# Altium PCB as_x31.PcbDoc (part 3 of 4)
Units mm, origin at the board's own origin, x right, y up, seen from the top; angles counter-clockwise.
Board outline 130 x 100 mm, 6 copper layers (Top Layer, Ground_1, int_1, int_2, Power, Bottom Layer), stack 1.49 mm thick; 411 components, 383 nets, 2547 pads, 1038 vias.
Unrouted connection lines stored in the file: 439.
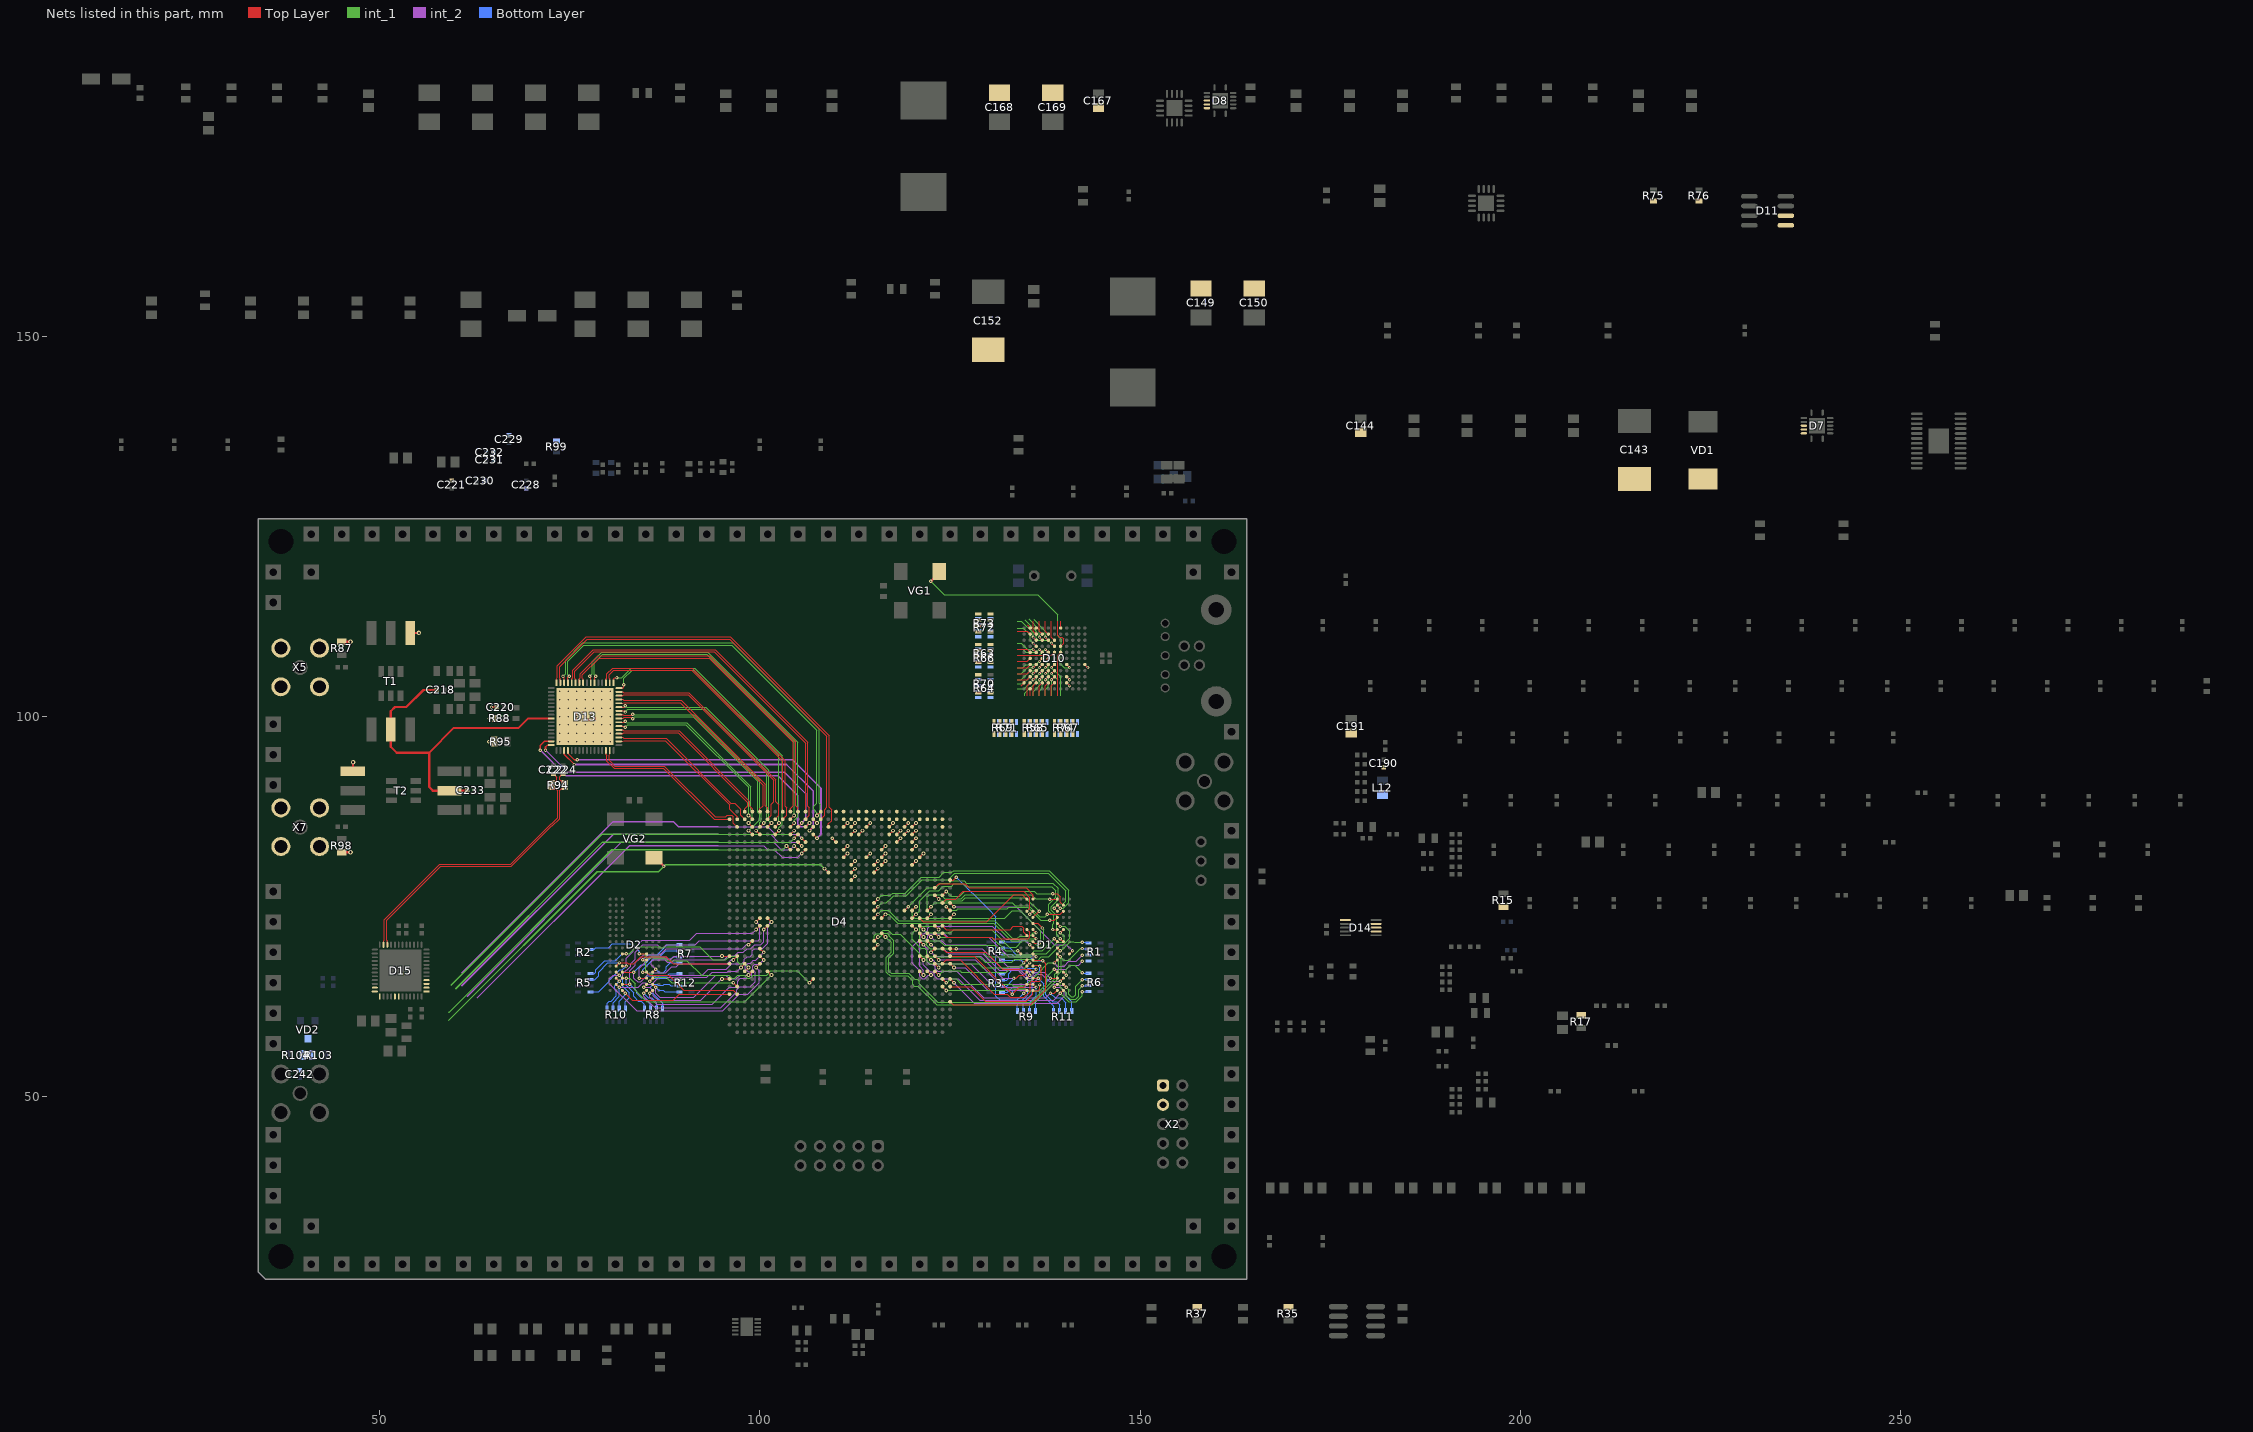
[diagram p7: the nets of this part, all layers, seen from the top]

## Via types
v1: diameter 0.5, hole 0.25, Top Layer to Bottom Layer, 535 vias
v2: diameter 0.45, hole 0.2, Top Layer to Bottom Layer, 284 vias
v3: diameter 0.5, hole 0.2, Top Layer to Bottom Layer, 137 vias
v4: diameter 0.4, hole 0.2, Top Layer to Bottom Layer, 78 vias
v5: diameter 0.6, hole 0.3, Top Layer to Bottom Layer, 4 vias

## Nets (pads, with @x,y where several pads share a name; then routed paths per layer and width w, separated by ;. In a path a pad name is that pad's centre, name@x,y a point inside that pad or via, vN(x,y) a via of type N, cw(c..) or ccw(c..) an arc to the next point about the centre after c; other vN are vias at no path point) (continued)
0VA: C220.2 C221.2 C228.1 C229.1 C230.1 C231.1 C232.1 D13.65 R87.1 R88.1 R95.2 R98.1 R99.2 T1.6 T2.6 X5.2 X7.2 | length 7.2
  Top Layer w0.2: v2(64.35,96.7) R95.2@65.05,96.7 R95.2@65.1,96.65 ; v2(64.4,99.75) R88.1@65.1,99.75 R88.1@65.15,99.7 ; v2(64.7,101.2) C220.2@65.4,101.2 C220.2@65.45,101.15
  Top Layer w0.3: R98.1@44.96,82.19 R98.1@45,82.15 v5(46.16,82.15) ; R87.1@44.96,109.89 R87.1@45,109.85 v5(46.16,109.85) ; T2.6@46.46,92.8 46.5,92.84 v5(46.5,94) ; T1.6@53.96,111.04 T1.6@54,111 v5(55.16,111)
  other v3: 73.7,96.7 74.8,96.7 75.9,96.7 77,96.7 78.1,96.7 79.2,96.7 80.3,96.7 73.7,97.8 74.8,97.8 75.9,97.8 77,97.8 78.1,97.8 79.2,97.8 80.3,97.8 73.7,98.9 74.8,98.9 75.9,98.9 77,98.9 78.1,98.9 79.2,98.9 80.3,98.9 73.7,100 74.8,100 75.9,100 77,100 78.1,100 79.2,100 80.3,100 73.7,101.1 74.8,101.1 75.9,101.1 77,101.1 78.1,101.1 79.2,101.1 80.3,101.1 73.7,102.2 74.8,102.2 75.9,102.2 77,102.2 78.1,102.2 79.2,102.2 80.3,102.2 73.7,103.3 74.8,103.3 75.9,103.3 77,103.3 78.1,103.3 79.2,103.3 80.3,103.3
12V: C143.1 C144.1 C149.1 C150.1 C152.1 C167.1 C168.1 C169.1 D7.4 D7.5 D7.6 D8.4 D8.5 D8.6 VD1.1
A_485: R37.2 X2.1
AD97_CS: D4.K27 D15.14 | length 53.4
  Top Layer w0.15: v1(104.5,84) D4.K27@105,84.5
  int_1 w0.15: 94.5,83.5 104,83.5 v1(104.5,84)
  int_1 w0.2: 60,64.2 79.3,83.5 94.5,83.5
AD5322_DIN: D4.AJ29 D14.9
AD5322_LDAC: D4.AG29 D14.1
AD5322_SCLK: D4.AJ28 D14.8
AD5322_SYNC: D4.AH29 D14.7
AD9517_EXT_CLK: C242.2 D15.47 R103.1 R104.2 VD2.1
AD9517_FPGA_CLK: D4.P22 D15.48 VG2.3 | length 60.5
  Top Layer w0.15: v1(108.5,80) D4.P22@109,79.5
  Top Layer w0.3: VG2.3@86.08,81.42 86.28,81.42 v2(87.38,80.32)
  int_1 w0.2: 59.1,60.1 78.6,79.6 86.66,79.6 v2(87.38,80.32) 87.56,80.5 108,80.5 v1(108.5,80)
AD9517_REF_SEL: D4.K25 D15.6 | length 52.7
  Top Layer w0.15: v1(104.5,83) D4.K25@105,82.5
  int_2 w0.15: 94.5,83.5 101.8,83.5 102.8,82.5 104,82.5 v1(104.5,83)
  int_2 w0.2: 61.5,63.2 81.8,83.5 94.5,83.5
AD9517_REFMON: D4.K26 D15.1 | length 54.3
  Top Layer w0.15: D4.K26@105,83.5 v1(105.5,83)
  int_2 w0.15: 94.5,84.5 101.4,84.5 102.4,83.5 105,83.5 v1(105.5,83)
  int_2 w0.2: 60.8,64.6 80.7,84.5 94.5,84.5
AD9517_SCLK: D4.J27 D15.13 | length 54.2
  Top Layer w0.15: D4.J27@104,84.5 v1(104.5,85)
  int_1 w0.15: 94.5,84.5 104,84.5 v1(104.5,85)
  int_1 w0.2: 59.4,64.7 79.2,84.5 94.5,84.5
AD9517_SDIO: D4.L26 D15.16 | length 54.6
  Top Layer w0.15: v1(105.5,84) D4.L26@106,83.5
  int_2 w0.15: 94.5,85.5 101,85.5 102,84.5 105,84.5 v1(105.5,84)
  int_2 w0.2: 60.8,66.3 80.7,86.2 88.6,86.2 89.3,85.5 94.5,85.5
AD9517_SDO: D4.L25 D15.15 | length 52.5
  Top Layer w0.15: v1(105.5,82) D4.L25@106,82.5
  int_2 w0.15: 94.5,83 100.5,83 101,82.5 101.9,82.5 102.9,81.5 105,81.5 v1(105.5,82)
  int_2 w0.2: 62.8,63 82.8,83 94.5,83
AD9517_STATUS: D4.J25 D15.5 | length 54.2
  Top Layer w0.15: v1(103.5,83) D4.J25@104,82.5
  int_1 w0.15: 94.5,82.5 103,82.5 v1(103.5,83)
  int_1 w0.2: 59.1,61.1 80.5,82.5 94.5,82.5
ADC_CLK_N: C224.1 D15.34 R94.1 | length 38.2
  Top Layer w0.125: D15.34@51,70 51,70.5 50.9,70.6 50.9,73.2 58,80.3 67.314,80.3 72.639,85.625 72.714,85.625 73.675,86.586 73.675,90.325 R94.1@74.35,91 73.675,91.675 73.675,92.075 C224.1@74.1,92.5
ADC_CLK_P: C222.1 D15.35 R94.2 | length 38.3
  Top Layer w0.125: D15.35@50.5,70 50.5,70.5 50.6,70.6 50.6,73.077 50.625,73.102 50.625,73.314 57.886,80.575 67.2,80.575 72.525,85.9 72.6,85.9 73.4,86.7 73.4,90.25 R94.2@72.65,91 73.3,91.65 73.3,92.05 C222.1@72.85,92.5
ADC_CML: C218.1 C233.1 D13.41 T1.2 T2.2 | length 44.9
  Top Layer w0.25: 56.5,95.25 59.75,98.5 68.25,98.5 69.5,99.75 D13.41@72.55,99.75
  Top Layer w0.3: C218.1@57.5,103.5 55.75,103.5 53.5,101.25 52,101.25 51.46,100.71 T1.2@51.46,98.3 51.46,96.04 52.25,95.25 56.5,95.25 56.5,90.75 56.99,90.26 T2.2@59.16,90.26 61.46,90.26 C233.1@61.5,90.3
ADC_CSB: D4.M28 D13.51 | length 41.4
  Top Layer w0.15: v1(106.5,85) D4.M28@107,85.5
  Top Layer w0.2: D13.51@74.25,95.55 74.25,95.05 v2(75.6,93.7)
  int_2 w0.2: v2(75.6,93.7) 103.5,93.7 107,90.2 107,85.5 v1(106.5,85)
ADC_D0_N: D4.A29 D13.62 | length 20.8
  Top Layer w0.125: D13.62@79.75,95.55 79.75,95.03 79.875,94.905 79.875,94.136 80.811,93.2 87.3,93.2 93.975,86.525 95.975,86.525 D4.A29@96,86.5
ADC_D0_P: D4.B28 D13.63 | length 22.5
  Top Layer w0.125: D13.63@80.25,95.55 80.25,95.03 80.15,94.93 80.15,94.25 80.925,93.475 87.414,93.475 94.089,86.8 95.5,86.8 95.7,87 96.3,87 96.5,86.8 96.5,86 D4.B28@97,85.5
ADC_D1_N: D4.B29 D13.2 | length 20.4
  Top Layer w0.125: D13.2@81.45,96.75 81.97,96.75 82.07,96.85 87.55,96.85 96,88.4 96,87.8 97,86.8 D4.B29@97,86.5
ADC_D1_P: D4.C29 D13.3 | length 21.5
  Top Layer w0.125: D13.3@81.45,97.25 81.97,97.25 82.095,97.125 87.664,97.125 96.189,88.6 96.7,88.6 97.5,87.8 97.5,87 D4.C29@98,86.5
ADC_D2_N: D4.C30 D13.4 | length 22.1
  Top Layer w0.125: D13.4@81.45,97.75 81.97,97.75 82.07,97.85 89.25,97.85 98.4,88.7 98.4,88.3 98,87.9 D4.C30@98,87.5
ADC_D2_P: D4.D30 D13.5 | length 22.6
  Top Layer w0.125: D13.5@81.45,98.25 81.97,98.25 82.095,98.125 89.364,98.125 98.675,88.814 98.675,88.225 99,87.9 D4.D30@99,87.5
ADC_D3_N: D4.D29 D13.6 | length 25.1
  Top Layer w0.125: D13.6@81.45,98.75 82.15,98.75 v2(82.3,98.6)
  Top Layer w0.15: v1(98.5,87) D4.D29@99,86.5
  int_1 w0.13: v2(82.3,98.6) 82.635,98.935 90.265,98.935 98.5,90.7 v1(98.5,87)
ADC_D3_P: D4.D28 D13.7 | length 26.8
  Top Layer w0.125: D13.7@81.45,99.25 82.15,99.25 v2(82.3,99.4)
  Top Layer w0.15: v1(98.5,86) D4.D28@99,85.5
  int_1 w0.13: v2(82.3,99.4) 82.502,99.198 82.519,99.215 90.381,99.215 98.8,90.796 98.8,87.7 99,87.5 99,86.5 v1(98.5,86)
ADC_D4_N: D4.D27 D13.8 | length 29.9
  Top Layer w0.125: D13.8@81.45,99.75 82,99.75 82.137,99.887 83.137,99.887 v2(83.3,99.725)
  Top Layer w0.15: v1(98.5,85) D4.D27@99,84.5
  int_1 w0.13: v2(83.3,99.725) 83.322,99.725 83.557,99.96 91.24,99.96 99.7,91.5 99.7,87.422 99.94,87.182 99.94,86.44 v1(98.5,85)
ADC_D4_P: D4.E27 D13.9 | length 30
  Top Layer w0.125: D13.9@81.45,100.25 82.031,100.25 82.119,100.162 83.138,100.162 v2(83.3,100.325)
  Top Layer w0.15: v1(99.5,85) D4.E27@100,84.5
  int_1 w0.13: v2(83.3,100.325) 83.413,100.212 83.441,100.24 91.356,100.24 99.98,91.616 99.98,87.503 100.195,87.288 100.195,86.334 99.98,86.119 99.98,85.48 v1(99.5,85)
ADC_D5_N: D4.E30 D13.12 | length 27.2
  Top Layer w0.125: D13.12@81.45,101.75 81.97,101.75 82.07,101.85 89.55,101.85 100.4,91 100.4,88.3 100,87.9 D4.E30@100,87.5
ADC_D5_P: D4.F30 D13.13 | length 27.6
  Top Layer w0.125: D13.13@81.45,102.25 81.97,102.25 82.095,102.125 89.664,102.125 100.7,91.089 100.7,88.3 101,88 D4.F30@101,87.5
ADC_D6_N: D4.F29 D13.14 | length 30.5
  Top Layer w0.125: D13.14@81.45,102.75 81.97,102.75 82.07,102.85 90.55,102.85 101.8,91.6 101.8,88.8 101.5,88.5 101.5,87 D4.F29@101,86.5
ADC_D6_P: D4.G29 D13.15 | length 31
  Top Layer w0.125: D13.15@81.45,103.25 81.97,103.25 82.095,103.125 90.664,103.125 102.075,91.714 102.075,88.825 102.5,88.4 102.5,87 D4.G29@102,86.5
ADC_D7_N: D4.G28 D13.16 | length 36.9
  Top Layer w0.125: D13.16@81.45,103.75 81.95,103.75 82.1,103.9 v2(82.1,104.2)
  Top Layer w0.15: D4.G28@102,85.5 v1(102.5,86)
  int_1 w0.13: v2(82.1,104.2) 82.1,105.008 83.192,106.1 91.3,106.1 102.5,94.9 v1(102.5,86)
ADC_D7_P: D4.G27 D13.17 | length 38.8
  Top Layer w0.125: D13.17@80.75,104.45 80.75,104.95 80.9,105.1 v2(81.2,105.1)
  Top Layer w0.15: D4.G27@102,84.5 v1(102.5,85)
  int_1 w0.13: v2(81.2,105.1) 81.82,105.1 81.82,105.124 83.076,106.38 91.416,106.38 102.94,94.856 102.94,85.818 102.5,85.378 v1(102.5,85)
ADC_D8_N: D4.H30 D13.18 | length 35.8
  Top Layer w0.125: D13.18@80.25,104.45 80.25,104.97 80.15,105.07 80.15,105.5 80.75,106.1 91.011,106.1 103,94.111 D4.H30@103,87.5
ADC_D8_P: D4.H29 D13.19 | length 38
  Top Layer w0.125: D13.19@79.75,104.45 79.75,104.97 79.85,105.07 79.85,105.5 79.875,105.525 79.875,105.614 80.636,106.375 91.125,106.375 103.3,94.2 103.3,88.2 103.5,88 103.5,87 D4.H29@103,86.5
ADC_D9_N: D4.J29 D13.22 | length 44.7
  Top Layer w0.125: D13.22@78.25,104.45 78.25,105.15 v2(78.4,105.3)
  Top Layer w0.15: D4.J29@104,86.5 v1(104.5,87)
  int_1 w0.13: v2(78.4,105.3) 78.198,105.502 78.215,105.519 78.215,107.1 79.315,108.2 93,108.2 104.5,96.7 v1(104.5,87)
ADC_D9_P: D4.J28 D13.23 | length 46.9
  Top Layer w0.125: v2(77.6,105.3) 77.75,105.15 D13.23@77.75,104.45
  Top Layer w0.15: D4.J28@104,85.5 v1(104.5,86)
  int_1 w0.13: v2(77.6,105.3) 77.935,105.635 77.935,107.216 79.199,108.48 93.116,108.48 104.94,96.656 104.94,86.818 104.5,86.378 v1(104.5,86)
ADC_D10_N: D4.J30 D13.25 | length 43.6
  Top Layer w0.125: D13.25@76.75,104.45 76.75,104.97 76.65,105.07 76.65,105.5 78.85,107.7 93.3,107.7 104.4,96.6 104.4,88.3 104,87.9 D4.J30@104,87.5
ADC_D10_P: D4.K30 D13.26 | length 44.5
  Top Layer w0.125: D13.26@76.25,104.45 76.25,104.97 76.375,105.095 76.375,105.614 78.736,107.975 93.414,107.975 104.7,96.689 104.7,88.3 105,88 D4.K30@105,87.5
ADC_D11_N: D4.L30 D13.27 | length 46.9
  Top Layer w0.125: D13.27@75.75,104.45 75.75,104.97 75.65,105.07 75.65,105.95 78.2,108.5 94,108.5 106,96.5 106,88 D4.L30@106,87.5
ADC_D11_P: D4.L29 D13.28 | length 49.1
  Top Layer w0.125: D13.28@75.25,104.45 75.25,104.97 75.375,105.095 75.375,106.064 78.086,108.775 94.114,108.775 106.275,96.614 106.275,88.225 106.5,88 106.5,87 D4.L29@106,86.5
ADC_D12_N: D4.N30 D13.29 | length 53.6
  Top Layer w0.125: D13.29@74.75,104.45 74.75,105.15 v2(74.9,105.3)
  Top Layer w0.15: v1(107.5,87) D4.N30@108,87.5
  int_1 w0.13: v2(74.9,105.3) 74.698,105.502 74.715,105.519 74.715,107.3 76.815,109.4 96.3,109.4 107.5,98.2 107.5,88.622 107.06,88.182 107.06,87.818 107.5,87.378 v1(107.5,87)
ADC_D12_P: D4.M29 D13.30 | length 55.4
  Top Layer w0.125: v2(74.1,105.3) 74.25,105.15 D13.30@74.25,104.45
  Top Layer w0.15: D4.M29@107,86.5 v1(107.5,86)
  int_1 w0.13: v2(74.1,105.3) 74.435,105.635 74.435,107.416 76.699,109.68 96.416,109.68 107.78,98.316 107.78,88.62 107.94,88.46 107.94,86.44 v1(107.5,86)
ADC_D13_N: D4.N29 D13.31 | length 55.3
  Top Layer w0.125: D13.31@73.75,104.45 73.75,104.97 73.65,105.07 73.65,106.55 77.3,110.2 96.006,110.2 108.8,97.406 108.8,88.05 108.5,87.75 108.5,87 D4.N29@108,86.5
ADC_D13_P: D4.P28 D13.32 | length 57.3
  Top Layer w0.125: D13.32@73.25,104.45 73.25,104.97 73.375,105.095 73.375,106.664 77.186,110.475 96.12,110.475 109.1,97.495 109.1,88.1 109.438,87.762 109.438,86.319 109,85.881 D4.P28@109,85.5
ADC_DCO_N: D4.E28 D13.10 | length 30.7
  Top Layer w0.125: D13.10@81.45,100.75 82.15,100.75 v2(82.3,100.6)
  Top Layer w0.15: D4.E28@100,85.5 v1(100.5,86)
  int_1 w0.13: v2(82.3,100.6) 82.635,100.935 92.765,100.935 100.9,92.8 100.9,86.4 v1(100.5,86)
ADC_DCO_P: D4.F28 D13.11 | length 31.1
  Top Layer w0.125: D13.11@81.45,101.25 82.15,101.25 v2(82.3,101.4)
  Top Layer w0.15: D4.F28@101,85.5 v1(101.5,86)
  int_1 w0.13: v2(82.3,101.4) 82.502,101.198 82.519,101.215 92.881,101.215 101.18,92.916 101.18,86.32 v1(101.5,86)
ADC_SCLK: D4.K28 D13.48 | length 42.6
  Top Layer w0.15: D4.K28@105,85.5 v1(105.5,86)
  Top Layer w0.2: v2(71.8,95.6) 71.8,96 72.05,96.25 D13.48@72.55,96.25
  int_2 w0.2: v2(71.8,95.6) 74.7,92.7 103.2,92.7 106,89.9 106,86.5 v1(105.5,86)
ADC_SDIO: D4.L28 D13.47 | length 45
  Top Layer w0.15: D4.L28@106,85.5 v1(106.5,86)
  Top Layer w0.2: v2(71.1,95.6) 71.1,96.2 71.65,96.75 D13.47@72.55,96.75
  int_2 w0.2: v2(71.1,95.6) 74.5,92.2 102.4,92.2 105,89.6 105,85.828 105.328,85.5 106,85.5 v1(106.5,86)
ADC_SYNC: D4.M27 D13.52 | length 43.1
  Top Layer w0.15: D4.M27@107,84.5 v1(107.5,84)
  Top Layer w0.2: D13.52@74.75,95.55 74.75,95.15 75.6,94.3 v2(76,94.3)
  int_2 w0.2: v2(76,94.3) 104.3,94.3 108.025,90.575 108.025,84.525 v1(107.5,84)
AVDD: C190.2 C191.2 D10.A7 L12.2 | length 0.6
  Top Layer w0.125: D10.A7@142.729,106.846 v4(143.129,106.446)
B_485: R35.2 X2.3
CTRL0: D10.K8 R70.5 | length 1.9
  Top Layer w0.1: 133.829,105.646 135.129,105.646 D10.K8@135.529,106.046
CTRL1: D10.K7 R71.8 | length 1.9
  Top Layer w0.1: 133.829,106.446 135.129,106.446 D10.K7@135.529,106.846
CTRL2: D10.J7 R71.7 | length 3
  Top Layer w0.125: v4(135.929,106.446) D10.J7@136.329,106.846
  int_1 w0.125: 133.829,105.646 134.329,105.646 135.129,106.446 v4(135.929,106.446)
CTRL3: D10.H7 R71.6 | length 4.1
  Top Layer w0.125: v4(136.729,106.446) D10.H7@137.129,106.846
  int_1 w0.125: 133.829,104.846 134.329,104.846 135.529,106.046 136.329,106.046 v4(136.729,106.446)
CTRL4: D10.G7 R71.5 | length 4.6
  Top Layer w0.125: v4(137.529,106.446) D10.G7@137.929,106.846
  int_1 w0.125: 136.729,102.746 136.729,103.346 137.129,103.746 137.129,106.046 v4(137.529,106.446)
CTRL5: D10.G6 R73.8 | length 5.4
  Top Layer w0.125: v4(137.529,107.246) D10.G6@137.929,107.646
  int_1 w0.125: 137.529,102.746 137.529,103.546 137.929,103.946 137.929,106.846 v4(137.529,107.246)
CTRL6: D10.K6 R73.7 | length 1.9
  Top Layer w0.1: 133.829,107.246 135.129,107.246 D10.K6@135.529,107.646
CTRL7: D10.H8 R73.6 | length 4.3
  Top Layer w0.125: v4(136.729,105.646) D10.H8@137.129,106.046
  int_1 w0.125: 134.829,102.746 134.829,103.046 136.329,104.546 136.329,105.246 v4(136.729,105.646)
CTRL8: D10.G5 R73.5 | length 4.6
  Top Layer w0.125: v4(137.529,108.846) D10.G5@137.929,108.446
  int_1 w0.125: 133.829,108.046 136.729,108.046 v4(137.529,108.846)
CTRL9: D10.H6 R74.8 | length 3.8
  Top Layer w0.125: v4(136.729,107.246) D10.H6@137.129,107.646
  int_1 w0.125: 133.829,106.446 134.529,106.446 134.929,106.846 136.329,106.846 v4(136.729,107.246)
CTRL10: D10.K5 R74.7 | length 1.9
  Top Layer w0.1: 133.829,108.846 135.129,108.846 D10.K5@135.529,108.446
CTRL11: D10.J5 R74.6 | length 3
  Top Layer w0.125: v4(135.929,108.846) D10.J5@136.329,108.446
  int_1 w0.125: 133.829,109.646 134.329,109.646 135.129,108.846 v4(135.929,108.846)
CTRL12: D10.H5 R74.5 | length 3.8
  Top Layer w0.125: v4(136.729,108.846) D10.H5@137.129,108.446
  int_1 w0.125: 133.829,108.846 134.529,108.846 134.929,108.446 136.329,108.446 v4(136.729,108.846)
CY_CTRL0: D4.W24 R70.4 | length 0.7
  Top Layer w0.15: D4.W24@114,81.5 v1(114.5,82)
CY_CTRL1: D4.AC26 R71.1 | length 0.7
  Top Layer w0.15: D4.AC26@118,83.5 v1(118.5,84)
CY_CTRL2: D4.AC27 R71.2 | length 0.7
  Top Layer w0.15: D4.AC27@118,84.5 v1(118.5,85)
CY_CTRL3: D4.Y22 R71.3 | length 0.7
  Top Layer w0.15: D4.Y22@115,79.5 v1(115.5,80)
CY_CTRL4: D4.AA23 R71.4 | length 0.7
  Top Layer w0.15: D4.AA23@116,80.5 v1(116.5,81)
CY_CTRL5: D4.AA24 R73.1 | length 0.7
  Top Layer w0.15: D4.AA24@116,81.5 v1(116.5,82)
CY_CTRL6: D4.AA25 R73.2 | length 0.7
  Top Layer w0.15: D4.AA25@116,82.5 v1(116.5,83)
CY_CTRL7: D4.AE23 R73.3 | length 0.7
  Top Layer w0.15: D4.AE23@120,80.5 v1(120.5,81)
CY_CTRL8: D4.AF24 R73.4 | length 0.7
  Top Layer w0.15: D4.AF24@121,81.5 v1(121.5,82)
CY_CTRL9: D4.AE27 R74.1 | length 0.7
  Top Layer w0.15: D4.AE27@120,84.5 v1(120.5,85)
CY_CTRL10: D4.AD27 R74.2 | length 0.7
  Top Layer w0.15: D4.AD27@119,84.5 v1(119.5,85)
CY_CTRL11: D4.AE25 R74.3 | length 0.7
  Top Layer w0.15: D4.AE25@120,82.5 v1(120.5,83)
CY_CTRL12: D4.AE26 R74.4 | length 0.7
  Top Layer w0.15: D4.AE26@120,83.5 v1(120.5,84)
CY_DQ0: D4.U21 R58.1 | length 0.7
  Top Layer w0.15: D4.U21@112,78.5 v1(112.5,79)
CY_DQ1: D4.U22 R58.2 | length 0.7
  Top Layer w0.15: D4.U22@112,79.5 v1(112.5,80)
CY_DQ2: D4.AF29 R58.3
CY_DQ3: D4.AF30 R58.4
CY_DQ4: D4.V27 R63.1 | length 0.7
  Top Layer w0.15: D4.V27@113,84.5 v1(113.5,85)
CY_DQ5: D4.W28 R63.2 | length 0.7
  Top Layer w0.15: D4.W28@114,85.5 v1(114.5,86)
CY_DQ6: D4.AE28 R63.3 | length 0.7
  Top Layer w0.15: D4.AE28@120,85.5 v1(120.5,86)
CY_DQ7: D4.AD28 R63.4 | length 0.7
  Top Layer w0.15: D4.AD28@119,85.5 v1(119.5,86)
CY_DQ8: D4.U27 R64.1 | length 0.7
  Top Layer w0.15: D4.U27@112,84.5 v1(112.5,85)
CY_DQ9: D4.U28 R64.2 | length 0.7
  Top Layer w0.15: D4.U28@112,85.5 v1(112.5,86)
CY_DQ10: D4.AD29 R64.3
CY_DQ11: D4.AC29 R64.4
CY_DQ12: D4.AA29 R69.1
CY_DQ13: D4.AA30 R69.2
CY_DQ14: D4.AB27 R69.3 | length 0.7
  Top Layer w0.15: D4.AB27@117,84.5 v1(117.5,85)
CY_DQ15: D4.AB28 R69.4 | length 0.7
  Top Layer w0.15: D4.AB28@117,85.5 v1(117.5,86)
CY_DQ16: D4.U23 R65.1 | length 0.7
  Top Layer w0.15: D4.U23@112,80.5 v1(112.5,81)
CY_DQ17: D4.T24 R65.2 | length 0.7
  Top Layer w0.15: D4.T24@111,81.5 v1(111.5,82)
CY_DQ18: D4.AB29 R65.3
CY_DQ19: D4.AC30 R65.4
CY_DQ20: D4.T28 R66.1 | length 0.7
  Top Layer w0.15: D4.T28@111,85.5 v1(111.5,86)
CY_DQ21: D4.T29 R66.2
CY_DQ22: D4.Y30 R66.3
CY_DQ23: D4.W30 R66.4
CY_DQ24: D4.T25 R67.1 | length 0.7
  Top Layer w0.15: D4.T25@111,82.5 v1(111.5,83)
CY_DQ25: D4.R26 R67.2 | length 0.7
  Top Layer w0.15: v1(109.5,84) D4.R26@110,83.5
CY_DQ26: D4.V29 R67.3
CY_DQ27: D4.W29 R67.4
CY_DQ28: D4.T30 R72.1
CY_DQ29: D4.R30 R72.2
CY_DQ30: D4.U29 R72.3
CY_DQ31: D4.V30 R72.4
CY_G: D10.D7 VG1.3 | length 29.2
  Top Layer w0.125: D10.D7@140.329,106.846 v4(140.729,106.446)
  Top Layer w0.3: v2(122.48,117.78) 123.58,118.88 VG1.3@123.58,119.08 VG1.3@123.58,119.28
  int_1 w0.125: 139.129,111.246 139.129,110.646 139.629,110.146 139.629,107.846 139.429,107.646 139.429,107.046 140.029,106.446 v4(140.729,106.446)
  int_1 w0.15: v2(122.48,117.78) 124.26,116 136.5,116 139.129,113.371 139.129,111.246
CY_PCLK: D4.Y23 R70.1 | length 0.7
  Top Layer w0.15: D4.Y23@115,80.5 v1(115.5,81)
CY_SCL: D10.D9 D11.6 R75.1 | length 0.6
  Top Layer w0.125: D10.D9@140.329,105.246 v4(140.729,104.846)
CY_SDA: D10.D10 D11.5 R76.1 | length 0.6
  Top Layer w0.125: D10.D10@140.329,104.446 v4(140.729,104.046)
D0: D10.F10 R58.8 | length 1.9
  Top Layer w0.1: 138.329,102.746 138.329,104.046 D10.F10@138.729,104.446
D1: D10.F9 R58.7 | length 2.7
  Top Layer w0.125: v4(138.329,104.846) D10.F9@138.729,105.246
  int_1 w0.125: 138.329,102.746 v4(138.329,104.846)
D2: D10.F7 R58.6 | length 4.8
  Top Layer w0.125: v4(138.329,106.446) D10.F7@138.729,106.846
  int_1 w0.125: v4(138.329,106.446) 139.529,105.246 139.529,102.746
D3: D10.G10 R58.5 | length 1.9
  Top Layer w0.1: 137.529,102.746 137.529,104.046 D10.G10@137.929,104.446
D4: D10.G9 R63.8 | length 0.6
  Top Layer w0.125: v4(137.529,104.846) D10.G9@137.929,105.246
D5: D10.F8 R63.7 | length 3.8
  Top Layer w0.125: v4(138.329,105.646) D10.F8@138.729,106.046
  int_1 w0.125: v4(138.329,105.646) 139.129,104.846 139.129,102.746
D6: D10.H10 R63.6 | length 1.9
  Top Layer w0.1: 136.729,102.746 136.729,104.046 D10.H10@137.129,104.446
D7: D10.H9 R63.5 | length 3
  Top Layer w0.125: v4(136.729,104.846) D10.H9@137.129,105.246
  int_1 w0.125: 135.929,102.746 135.929,103.246 136.729,104.046 v4(136.729,104.846)
D8: D10.J10 R64.8 | length 1.9
  Top Layer w0.1: 135.929,102.746 135.929,104.046 D10.J10@136.329,104.446
D9: D10.J9 R64.7 | length 3.2
  Top Layer w0.125: v4(135.929,104.846) D10.J9@136.329,105.246
  int_1 w0.125: 133.829,103.646 134.729,103.646 v4(135.929,104.846)
D10: D10.K11 R64.6 | length 0.9
  Top Layer w0.1: 135.529,102.746 D10.K11@135.529,103.646
D11: D10.L10 R64.5 | length 0.6
  Top Layer w0.125: 134.329,104.046 D10.L10@134.729,104.446
D12: D10.K10 R69.8 | length 1.9
  Top Layer w0.1: 135.129,102.746 135.129,104.046 D10.K10@135.529,104.446
D13: D10.K9 R69.7 | length 1.9
  Top Layer w0.1: 133.829,104.846 135.129,104.846 D10.K9@135.529,105.246
D14: D10.J8 R69.6 | length 3.2
  Top Layer w0.125: v4(135.929,105.646) D10.J8@136.329,106.046
  int_1 w0.125: 133.829,104.346 134.629,104.346 v4(135.929,105.646)
D15: D10.G8 R69.5 | length 0.6